# Altium PCB MJVESC_MINI4_VER01A.PcbDoc (part 2 of 2)
Units mm, origin at the board's own origin, x right, y up, seen from the top; angles counter-clockwise.
Board outline 32 x 70 mm, 4 copper layers (Top Layer, Mid Layer 1, Mid Layer 2, Bottom Layer), stack 1.63 mm thick; 141 components, 105 nets, 518 pads, 668 vias.
Unrouted connection lines stored in the file: 6.
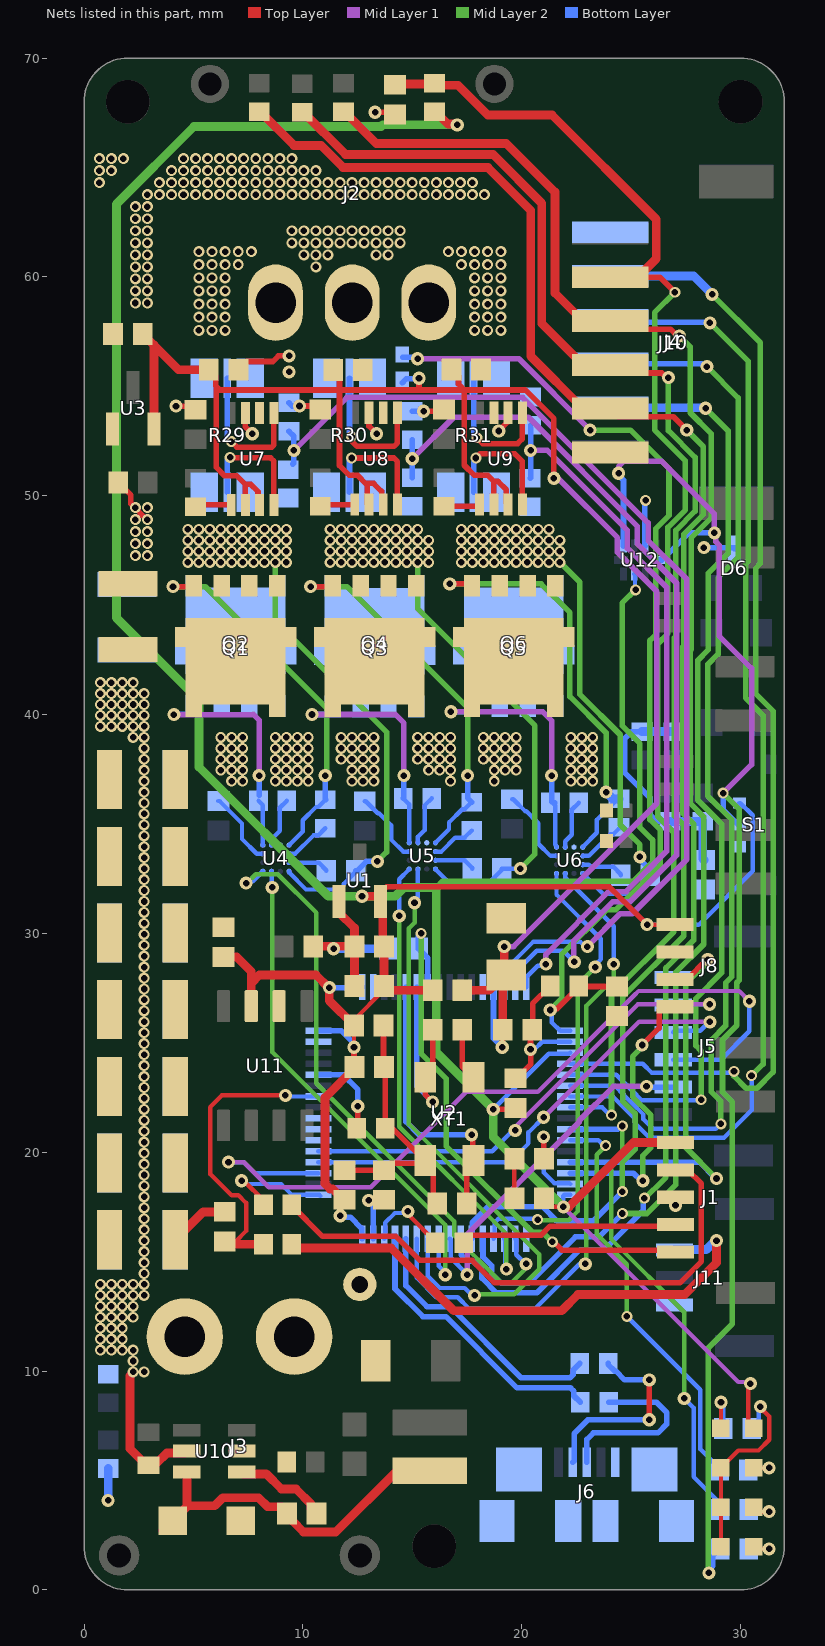
[diagram p4: the nets of this part, all layers, seen from the top]

## Via types
v1: diameter 0.5, hole 0.3, Top Layer to Bottom Layer, tented both sides, 536 vias
v2: diameter 0.6, hole 0.3, Top Layer to Bottom Layer, tented both sides, 132 vias

## Nets (pads, with @x,y where several pads share a name; then routed paths per layer and width w, separated by ;. In a path a pad name is that pad's centre, name@x,y a point inside that pad or via, vN(x,y) a via of type N, cw(c..) or ccw(c..) an arc to the next point about the centre after c; other vN are vias at no path point) (continued)
GND: C1.1 C2.2 C3.1 C4.1 C5.2 C6.2 C7.2 C8.1 C9.1 C10.1 C11.1 C12.1 C13.1 C14.2 C15.1 C16.2 C17.1 C18.2 C19.2 C20.2 C21.2 C25.1 C26.1 C27.1 C28.2 C29.2 C30.2 C31.2 C33.2 C34.2 C35.2 C36.2 C37.1 C39.2 C40.2 C41.2 C42.2 C43.2 C44.2 C45.1 C46.2 C47.1 C48.1 C49.2 C50.2 C51.2 C52.2 C53.2 C54.2 C65.1 D1.2 D3.2 D4.2 D5.2 D6.3 GND1.1 J1.3 J3.2 J4.1 J5.6 J6.5 J6.6 J6.7 J6.8 J6.9 J6.10 J6.11 J8.2 J10.1 J11.1 Q2.1 Q2.2 Q2.3 Q4.1 Q4.2 Q4.3 Q6.1 Q6.2 Q6.3 R3.2 R6.1 R15.2 R17.2 R19.2 R33.2 R35.2 R38.2 S1.2 U1.1 U2.12 U2.18 U2.63 U3.1 U4.A2 U5.A2 U6.A2 U7.2 U7.3 U8.2 U8.3 U9.2 U9.3 U10.2 U11.2 U12.3 XT1.G | length 74.1
  Top Layer w0.203: C4.1@19.667,17.9 C11.1@19.667,19.704 ; D5.2@29.104,1.975 D3.2@29.104,3.779 D1.2@29.104,5.583 29.892,6.372 30.819,6.372 31.308,6.862 31.308,7.925 30.904,8.329 v2(30.904,8.375)
  Top Layer w0.254: C12.1@1.565,50.6 2.135,50.03 2.135,49.64 v1@2.9,48.875 ; v2(4.2,54.1) 5.054,54.1 5.094,54.06 C28.2@5.094,53.929 ; C25.1@7.053,55.759 7.428,56.134 8.628,56.134 8.882,56.388 v2(9.372,56.388) ; U7.3@7.373,53.783 7.373,53.142 v2(7.683,52.832) ; U7.2@8.018,53.778 U7.2@8.023,53.783 ; v2(9.842,54.102) 10.632,54.102 C29.2@10.79,53.944 ; C1.1@11.608,19.175 C1.1@11.908,19.175 13.699,19.175 14.022,19.498 15.431,19.498 XT1.G@15.554,19.621 ; U8.3@13.019,53.798 13.019,53.178 v2(13.365,52.832) ; v2(13.3,67.525) 14.104,67.525 C17.1@14.204,67.425 ; C65.1@13.683,25.8 13.683,23.925 C5.2@13.708,23.9 13.758,23.85 R6.1@13.758,21.1 14.074,21.1 XT1.G@15.554,19.621 ; v2(15.516,53.863) 16.365,53.863 C30.2@16.446,53.944 ; C16.2@16.133,17.666 15.96,17.839 15.96,19.214 XT1.G@15.554,19.621 ; C14.2@17.279,25.6 17.279,23.929 XT1.G@17.787,23.421 ; v2(18.948,52.959) 19.375,53.387 U9.2@19.375,53.798 ; C2.2@19.708,23.375 19.758,23.375 20.417,24.034 20.417,24.683 v2(20.4,24.7) 20.4,25.517 C7.2@20.483,25.6 20.5,25.617 20.5,26.796 R35.2@21.304,27.6 ; v2(27.025,17.575) J1.3@27.025,17.946
  Top Layer w0.4: C42.2@4.167,16.002 5.44,17.275 C18.2@6.427,17.275 ; C3.1@10.465,29.409 11.291,29.409 v2(11.4,29.3) 11.509,29.409 C9.1@12.356,29.409 ; U1.1@11.648,31.463 11.648,30.952 12.356,30.244 C9.1@12.356,29.409 ; C8.1@12.358,27.604 12.358,29.407 C9.1@12.356,29.409
  Bottom Layer w0.203: C19.2@6.139,36.051 6.189,36.051 7.217,35.023 7.217,34.315 7.896,33.636 U4.A2@8.168,33.636 ; C20.2@12.827,36.042 12.877,36.042 13.421,35.498 13.474,35.498 14.029,34.943 14.029,34.295 14.584,33.741 U5.A2@14.856,33.741 ; C21.2@19.558,36.135 19.608,36.135 20.152,35.59 20.205,35.59 20.76,35.036 20.76,34.095 21.315,33.541 U6.A2@21.587,33.541 ; v2(20.4,24.7) 20.583,24.7 20.931,25.048 U2.18@22.208,25.048 ; R3.2@30.504,7.375 30.827,7.698 30.827,8.191 30.904,8.268 v2(30.904,8.375)
  Bottom Layer w0.254: R17.2@9.364,54.244 9.506,54.102 v2(9.842,54.102) ; R15.2@14.994,53.863 v2(15.516,53.863) ; U12.3@25.65,47.704 25.63,47.724 25.63,49.68 25.663,49.713 v1(25.663,49.79) ; v2(28.326,47.627) 29.756,47.627 D6.3@29.718,47.589
  Bottom Layer w0.4: v2(1.1,4.093) R33.2@1.1,5.55 ; v2(11.4,29.3) 11.402,29.302 C13.1@13.925,29.302
  other v1: 6.744,36.96 7.244,36.96 8.744,36.96 9.244,36.96 9.744,36.96 10.244,36.96 12.244,36.96 12.744,36.96 13.244,36.96 16.744,36.96 18.744,36.96 22.244,36.96 22.744,36.96 23.244,36.96 6.244,37.46 6.744,37.46 7.244,37.46 8.744,37.46 9.244,37.46 9.744,37.46 10.244,37.46 12.244,37.46 12.744,37.46 13.244,37.46 15.744,37.46 16.244,37.46 16.744,37.46 18.744,37.46 19.244,37.46 19.744,37.46 22.244,37.46 22.744,37.46 23.244,37.46 6.244,37.96 6.744,37.96 7.244,37.96 8.744,37.96 9.244,37.96 9.744,37.96 10.244,37.96 11.744,37.96 12.244,37.96 12.744,37.96 13.244,37.96 15.244,37.96 15.744,37.96 16.244,37.96 16.744,37.96 18.244,37.96 18.744,37.96 19.244,37.96 19.744,37.96 22.244,37.96 22.744,37.96 23.244,37.96 6.244,38.46 6.744,38.46 7.244,38.46 8.744,38.46 9.244,38.46 9.744,38.46 10.244,38.46 11.744,38.46 12.244,38.46 12.744,38.46 13.244,38.46 15.244,38.46 15.744,38.46 16.244,38.46 16.744,38.46 18.244,38.46 18.744,38.46 19.244,38.46 19.744,38.46 22.244,38.46 22.744,38.46 23.244,38.46 6.244,38.96 6.744,38.96 7.244,38.96 8.744,38.96 9.244,38.96 9.744,38.96 10.244,38.96 11.744,38.96 12.244,38.96 12.744,38.96 13.244,38.96 15.244,38.96 15.744,38.96 16.244,38.96 16.744,38.96 18.244,38.96 18.744,38.96 19.244,38.96 19.744,38.96 22.244,38.96 22.744,38.96 23.244,38.96 2.344,47.26 2.894,47.26 2.344,47.81 2.894,47.81 2.344,48.36 2.894,48.36 2.344,48.91 2.894,48.91 2.344,49.46 2.894,49.46 2.344,58.81 2.894,58.81 2.344,59.36 2.894,59.36 2.344,59.91 2.894,59.91 2.344,60.46 2.894,60.46 2.344,61.01 2.894,61.01 2.344,61.56 2.894,61.56 2.344,62.11 2.894,62.11 2.344,62.66 2.894,62.66 2.344,63.21 2.894,63.21 2.894,63.76 3.444,63.76 3.994,63.76 4.544,63.76 5.094,63.76 5.644,63.76 6.194,63.76 6.744,63.76 7.294,63.76 7.844,63.76 8.394,63.76 8.944,63.76 9.494,63.76 10.044,63.76 10.594,63.76 11.144,63.76 11.694,63.76 12.244,63.76 12.794,63.76 13.344,63.76 13.894,63.76 14.444,63.76 14.994,63.76 15.544,63.76 16.094,63.76 16.644,63.76 17.194,63.76 17.744,63.76 18.294,63.76 0.694,64.31 3.444,64.31 3.994,64.31 4.544,64.31 5.094,64.31 5.644,64.31 6.194,64.31 6.744,64.31 7.294,64.31 7.844,64.31 8.394,64.31 8.944,64.31 9.494,64.31 10.044,64.31 10.594,64.31 11.144,64.31 11.694,64.31 12.244,64.31 12.794,64.31 13.344,64.31 13.894,64.31 14.444,64.31 14.994,64.31 15.544,64.31 16.094,64.31 16.644,64.31 17.194,64.31 17.744,64.31 0.694,64.86 1.244,64.86 3.994,64.86 4.544,64.86 5.094,64.86 5.644,64.86 6.194,64.86 6.744,64.86 7.294,64.86 7.844,64.86 8.394,64.86 8.944,64.86 9.494,64.86 10.044,64.86 10.594,64.86 0.694,65.41 1.244,65.41 1.794,65.41 4.544,65.41 5.094,65.41 5.644,65.41 6.194,65.41 6.744,65.41 7.294,65.41 7.844,65.41 8.394,65.41 8.944,65.41 9.494,65.41
  other v2: 9.372,55.661
H1: U2.41 U4.B4 | length 23.5
  Mid Layer 2 w0.203: v2(8.6,32.1) 8.6,24.579 16.502,16.677 v2(16.502,14.4)
  Bottom Layer w0.203: U4.B4@8.568,32.836 8.568,32.132 v2(8.6,32.1) ; U2.41@16.208,16.048 16.208,14.801 16.502,14.507 v2(16.502,14.4)
H2: U2.42 U5.B4 | length 28.6
  Mid Layer 2 w0.203: v2(15.1,31.4) 15.1,30.484 14.845,30.23 14.845,21.288 20.804,15.329 20.804,14.65 19.659,13.504 17.888,13.504 v2(17.844,13.46)
  Bottom Layer w0.203: v2(15.1,31.4) 15.1,31.507 15.256,31.664 U5.B4@15.256,32.941 ; U2.42@15.708,16.048 15.708,14.339 16.251,13.795 17.401,13.795 17.736,13.46 v2(17.844,13.46)
H3: U2.43 U6.B4 | length 30.2
  Mid Layer 2 w0.203: v2(22.9,14.9) 22.957,14.957 22.957,26.697 24.2,27.94 v2(24.2,28.6)
  Bottom Layer w0.203: U2.43@15.208,16.048 15.208,14.265 16.095,13.377 17.071,13.377 17.593,12.855 20.611,12.855 22.655,14.9 v2(22.9,14.9) ; U6.B4@21.987,32.741 21.987,32.54 24.2,30.328 v2(24.2,28.6)
HALL_1: J10.4 R7.1 U2.37 | length 75
  Top Layer w0.254: J10.4@24.05,57.984 24.423,57.611 26.796,57.611 27.106,57.3 v2(27.2,57.3)
  Top Layer w0.4: R7.1@11.85,67.55 11.9,67.55 13.35,66.1 19.292,66.1 21.517,63.876 21.517,59.267 22.8,57.984 J10.4@23.968,57.984
  Mid Layer 2 w0.254: v1(24.6,17.2) 25.72,17.2 27.039,18.519 27.039,28.23 28.315,29.506 28.315,35.326 27.687,35.954 27.687,42.917 27.749,42.979 27.749,48.087 28.654,48.992 28.654,52.837 27.698,53.793 27.698,56.802 v2(27.2,57.3)
  Bottom Layer w0.254: U2.37@18.208,16.048 18.228,16.028 18.228,15.209 18.634,14.804 18.634,14.437 19.039,14.031 20.352,14.031 22.452,16.132 23.532,16.132 v1(24.6,17.2)
HALL_2: J10.3 R8.1 U2.38 | length 73.5
  Top Layer w0.254: J10.3@24.05,55.984 24.423,55.611 26.396,55.611 26.606,55.4 v2(26.7,55.4)
  Top Layer w0.4: R8.1@9.969,67.525 10.019,67.525 11.944,65.6 18.683,65.6 20.914,63.369 20.914,57.87 22.8,55.984 J10.3@23.968,55.984
  Mid Layer 2 w0.254: v1(24.6,18.2) 24.6,19.556 25.18,20.136 25.18,21.771 24.613,22.338 24.613,27.097 27.401,29.885 27.401,34.947 26.979,35.369 26.979,43.504 27.041,43.566 27.041,48.415 27.925,49.299 27.925,51.75 26.7,52.975 v2(26.7,55.4)
  Bottom Layer w0.254: U2.38@17.708,16.048 17.728,16.068 17.728,16.784 18.447,17.503 20.963,17.503 21.597,16.87 23.27,16.87 v1(24.6,18.2)
HALL_3: J10.2 R9.1 U2.39 | length 78.7
  Top Layer w0.254: J10.2@24.05,53.984 24.423,53.611 26.928,53.611 v2(27.538,53)
  Top Layer w0.4: R9.1@8,67.55 8.05,67.55 9.59,66.01 10.827,66.01 11.837,65 18.452,65 20.414,63.038 20.414,56.37 22.8,53.984 J10.2@23.968,53.984
  Mid Layer 2 w0.254: v1@25.516,17.787 26.582,18.854 26.582,28.419 27.858,29.695 27.858,34.991 27.333,35.516 27.333,43.063 27.395,43.126 27.395,48.234 28.3,49.138 28.3,52.238 v2(27.538,53)
  Bottom Layer w0.254: U2.39@17.208,16.048 17.228,16.028 17.228,15.311 17.509,15.03 17.761,15.03 18.177,14.614 18.177,14.248 18.85,13.574 20.684,13.574 22.639,15.53 23.75,15.53 25.553,17.333 25.553,17.853 v1(25.6,17.9)
I2C2_SCL/USART3_TX: J8.3 U2.29 | length 19.9
  Top Layer w0.254: J8.3@26.999,27.901 27.549,27.901 28.448,28.8 v2(28.5,28.8)
  Mid Layer 2 w0.254: v2(28.5,28.8) 28.5,28.706 27.496,27.702 27.496,20.204 v2(28.9,18.8)
  Bottom Layer w0.254: U2.29@22.208,19.548 28.115,19.548 28.863,18.8 v2(28.9,18.8)
I2C2_SDA/USART3_RX: J8.4 U2.30 | length 13
  Top Layer w0.254: v2(25.5,24.9) 26.276,25.676 26.276,26.478 26.449,26.651 J8.4@26.999,26.651
  Mid Layer 2 w0.254: v2(25.5,24.9) 25.5,24.806 25.07,24.376 25.07,22.527 25.9,21.697 25.9,20.21 25.537,19.847 v2(25.537,18.7)
  Bottom Layer w0.254: U2.30@22.208,19.048 25.096,19.048 25.444,18.7 v2(25.537,18.7)
L1: U2.34 U4.A4 | length 28.5
  Mid Layer 2 w0.203: v2(7.4,32.3) 7.446,32.3 7.85,32.704 8.85,32.704 10.604,30.951 10.604,23.15 16.908,16.845 16.908,16.199 19.05,14.057 19.55,14.057 20.124,14.631 20.124,14.824 v2(20.2,14.9)
  Bottom Layer w0.203: v2(7.4,32.3) 7.476,32.376 7.708,32.376 U4.A4@8.168,32.836 ; U2.34@19.708,16.048 19.754,16.002 19.754,15.322 20.175,14.9 v2(20.2,14.9)
L2: U2.35 U5.A4 | length 21.9
  Mid Layer 2 w0.203: v2(14.4,30.8) 14.4,21.159 19.3,16.259 v2(19.3,14.661)
  Bottom Layer w0.203: v2(14.4,30.8) 14.4,32.474 14.849,32.924 14.849,32.934 U5.A4@14.856,32.941 ; U2.35@19.208,16.048 19.254,16.002 19.254,14.708 v2(19.3,14.661)
L3: U2.36 U6.A4 | length 21.5
  Mid Layer 2 w0.203: v1(20.723,16.923) 20.751,16.895 22.15,16.895 22.551,17.296 22.551,27.65 v2(23.358,28.458)
  Bottom Layer w0.203: U2.36@18.708,16.048 18.754,16.093 18.754,16.774 18.932,16.952 20.694,16.952 v1(20.723,16.923) ; U6.A4@21.587,32.741 21.587,31.776 23.604,29.759 23.604,28.812 23.358,28.565 v2(23.358,28.458)
LED_GREEN: R2.1 U2.26 | length 22.2
  Mid Layer 2 w0.203: v1(24.6,21.2) 24.6,20.021 24.098,19.519 24.098,16.017 27.425,12.691 v2(27.425,8.75)
  Bottom Layer w0.203: v2(27.425,8.75) 27.85,8.325 27.85,5.175 29.072,3.953 R2.1@29.072,3.679
  Bottom Layer w0.254: U2.26@22.208,21.048 24.381,21.048 24.533,21.2 v1(24.6,21.2)
LED_RED: R1.1 U2.27 | length 19
  Mid Layer 2 w0.203: v1(23.833,20.3) 23.425,19.892 23.425,16.262 24.8,14.887 v1(24.8,12.5)
  Bottom Layer w0.203: U2.27@22.208,20.548 23.505,20.548 23.753,20.3 v1(23.833,20.3) ; v1(24.8,12.5) 28.153,9.147 28.153,6.435 29.054,5.534 R1.1@29.054,5.484
NetC10_2: C10.2 U2.47 | length 2.5
  Top Layer w0.254: v2(13.008,17.8) 13.033,17.825 C10.2@13.699,17.825
  Bottom Layer w0.254: v2(13.008,17.8) 13.208,17.6 U2.47@13.208,16.048
NetC11_2: C11.2 U2.31 | length 4.1
  Top Layer w0.254: C11.2@20.983,19.704 21,19.721 v2(21,20.7)
  Bottom Layer w0.203: v2(21,20.7) 21,19.075 21.482,18.593 22.163,18.593 U2.31@22.208,18.548
NetC14_1: C14.1 U2.6 XT1.1 | length 9.1
  Top Layer w0.254: v2(15.929,22.3) 15.587,22.642 XT1.1@15.587,23.421 15.929,23.762 C14.1@15.929,25.6
  Bottom Layer w0.254: U2.6@15.208,27.548 15.208,23.021 v2(15.929,22.3)
NetC16_1: C16.1 U2.5 XT1.3 | length 12.7
  Top Layer w0.254: C16.1@17.483,17.666 17.483,19.35 17.754,19.621 17.754,20.754 v2(17.708,20.8)
  Bottom Layer w0.254: U2.5@14.708,27.548 14.708,21.4 15.308,20.8 v2(17.708,20.8)
NetC22_2: C22.2 U4.D3 | length 1.9
  Bottom Layer w0.203: U4.D3@9.368,33.236 10.721,33.236 11.07,32.888 C22.2@11.07,32.863
NetC23_2: C23.2 U5.D3 | length 1.9
  Bottom Layer w0.203: U5.D3@16.056,33.341 17.387,33.341 17.736,32.992 C23.2@17.736,32.948
NetC24_2: C24.2 U6.D3 | length 2
  Bottom Layer w0.203: U6.D3@22.787,33.141 23.06,33.141 23.146,33.054 24.177,33.054 24.525,32.706 C24.2@24.525,32.656
NetC32_1: C32.1 D4.1 L2.1 U10.6 | length 16.3
  Top Layer w0.4: D4.1@3.602,2.712 D4.1@4.052,3.162 4.697,3.806 4.697,3.844 ; U10.6@4.697,5.396 4.697,3.844 ; L2.1@15.8,5.45 14.305,5.45 11.504,2.648 10.029,2.648 9.524,3.153 9.524,3.248 C32.1@9.274,3.498 9.274,3.548 9.024,3.798 8.386,3.798 7.969,4.215 6.336,4.215 5.965,3.844 4.697,3.844
NetC32_2: C32.2 U10.1 | length 4.3
  Top Layer w0.4: U10.1@7.207,5.396 7.302,5.301 8.326,5.301 9.018,4.61 9.683,4.61 10.374,3.918 10.374,3.748 C32.2@10.624,3.498
NetC50_1: C50.1 R40.2 R41.1 R42.2 R43.1 | length 10.7
  Bottom Layer w0.254: R42.2@25.5,39.222 25.022,39.222 24.695,38.895 24.695,37.358 25.875,36.178 25.875,35.4 26.157,35.118 R43.1@26.771,35.118
  Bottom Layer w0.4: R42.2@25.5,39.222 R40.2@26.954,39.222 ; R43.1@26.771,35.118 R41.1@28.271,35.118 28.271,33.413 C50.1@28.325,33.359
NetD1_1: D1.1 R1.2 | length 1.7
  Top Layer w0.203: D1.1@30.604,5.583 30.612,5.575 v2(31.304,5.575)
  Bottom Layer w0.203: R1.2@30.354,5.484 30.445,5.575 v2(31.304,5.575)
NetD2_2: D2.2 R3.1 | length 2.4
  Top Layer w0.203: D2.2@29.104,7.388 v2(29.104,8.575)
  Bottom Layer w0.203: v2(29.104,8.575) 29.204,8.475 R3.1@29.204,7.375
NetD3_1: D3.1 R2.2 | length 1.8
  Top Layer w0.203: D3.1@30.604,3.779 30.808,3.575 v2(31.304,3.575)
  Bottom Layer w0.203: R2.2@30.372,3.679 30.476,3.575 v2(31.304,3.575)
NetD5_1: D5.1 R39.2 | length 1.7
  Top Layer w0.203: D5.1@30.604,1.975 30.704,1.875 v2(31.304,1.875)
  Bottom Layer w0.203: R39.2@30.372,1.875 v2(31.304,1.875)
NetJ1_2: J1.2 R4.1 | length 25.6
  Top Layer w0.254: R4.1@9.498,17.604 9.498,17.554 10.896,16.157 14.245,16.157 15.344,15.057 17.734,15.057 18.759,14.031 27.227,14.031 28.205,15.01 28.205,18.566 27.575,19.196 J1.2@27.025,19.196
NetJ1_4: J1.4 R5.1 | length 10
  Top Layer w0.254: R5.1@17.35,15.862 17.35,15.912 17.648,16.21 20.89,16.21 21.3,16.62 26.949,16.62 J1.4@27.025,16.696
NetJ6_2: J6.2 R11.2 | length 9.1
  Top Layer w0.254: v2(25.825,7.775) v2(25.825,9.6)
  Bottom Layer w0.254: J6.2@22.325,5.825 22.398,5.898 22.398,7.148 23.025,7.775 v2(25.825,7.775) ; R11.2@23.95,10.35 23.95,10.3 24.248,10.002 24.298,10.002 24.7,9.6 v2(25.825,9.6)
NetJ6_3: J6.3 R12.2 | length 8.4
  Bottom Layer w0.254: J6.3@22.975,5.825 22.975,6.875 23.275,7.175 26.225,7.175 26.625,7.575 26.625,8.1 26.15,8.575 R12.2@23.975,8.575
NetJ11_3: J11.3 R13.1 | length 24.7
  Top Layer w0.4: R13.1@9.498,15.8 9.671,15.627 14.025,15.627 16.895,12.757 21.829,12.757 22.574,13.501 27.446,13.501 28.9,14.955 v2(28.9,15.96)
  Bottom Layer w0.4: J11.3@26.986,15.525 27.011,15.55 28.436,15.55 28.846,15.96 v2(28.9,15.96)
NetQ1_4: Q1.4 R20.2 U4.D1 | length 17.4
  Top Layer w0.254: v2(4.064,45.847) 4.977,45.847 Q1.4@5.016,45.886
  Mid Layer 2 w0.254: v2(4.064,45.847) 5.535,45.847 11.095,40.287 11.095,37.377 11.023,37.305 v2(11.023,37.211)
  Bottom Layer w0.203: U4.D1@9.368,34.036 9.988,34.656 9.988,35.17 10.596,35.778 10.699,35.778 R20.2@11.023,36.101 R20.2@11.053,36.101
  Bottom Layer w0.254: v2(11.023,37.211) 11.023,36.131 R20.2@11.053,36.101
NetQ2_4: Q2.4 R21.2 U4.A1 | length 10.7
  Mid Layer 1 w0.254: v2(4.1,40) 7.734,40 7.739,40.005 8.001,39.743 v2(8.001,37.211)
  Bottom Layer w0.203: R21.2@7.968,36.065 8.168,35.865 U4.A1@8.168,34.036
  Bottom Layer w0.254: v2(4.1,40) 4.079,40.02 4.768,40.02 5.016,40.268 Q2.4@5.016,40.393 ; R21.2@8.001,36.316 v2(8.001,37.211)
NetQ3_4: Q3.4 R22.2 U5.D1 | length 17.5
  Top Layer w0.254: v2(10.35,45.847) 11.332,45.847 Q3.4@11.37,45.886
  Mid Layer 2 w0.254: v2(10.35,45.847) 12.012,45.847 17.526,40.333 v2(17.526,37.211)
  Bottom Layer w0.203: U5.D1@16.056,34.141 16.676,34.761 16.676,35.071 17.284,35.679 17.387,35.679 R22.2@17.711,36.003
  Bottom Layer w0.254: v2(17.526,37.211) 17.526,36.187 R22.2@17.711,36.003
NetQ4_4: Q4.4 R23.2 U5.A1 | length 11.1
  Mid Layer 1 w0.254: v2(10.414,40.005) 14.224,40.005 14.613,39.616 v2(14.613,37.211)
  Bottom Layer w0.203: R23.2@14.581,36.17 14.856,35.895 U5.A1@14.856,34.141
  Bottom Layer w0.254: v2(10.414,40.005) 11.122,40.005 11.37,40.253 Q4.4@11.37,40.372 ; R23.2@14.581,36.17 14.613,36.201 v2(14.613,37.211)
NetQ5_4: Q5.4 R24.2 U6.D1 | length 19.9
  Top Layer w0.254: v2(16.708,45.974) 17.589,45.974 17.716,46.101 Q5.4@17.843,45.974
  Mid Layer 2 w0.254: v2(16.708,45.974) 20.887,45.974 22.2,44.661 22.2,40.824 23.853,39.171 v2(23.853,36.46)
  Bottom Layer w0.203: U6.D1@22.787,33.941 22.794,33.948 22.794,33.958 23.431,34.595 23.431,35.187 24.337,36.093 R24.2@24.442,36.093
  Bottom Layer w0.254: R24.2@24.387,36.148 R24.2@24.442,36.093
  Bottom Layer w0.4: v2(23.853,36.46) 24.165,36.148 24.387,36.148 R24.2@24.442,36.148
NetQ6_4: Q6.4 R25.2 U6.A1 | length 11.8
  Mid Layer 1 w0.254: v2(16.764,40.132) 20.955,40.132 21.363,39.724 v2(21.363,37.211)
  Bottom Layer w0.203: R25.2@21.363,36.02 21.53,35.853 21.53,34.055 21.587,33.998 U6.A1@21.587,33.941
  Bottom Layer w0.254: v2(16.764,40.132) 17.477,40.132 17.725,40.38 Q6.4@17.725,40.393 ; R25.2@21.363,36.02 v2(21.363,37.211) ; R25.2@21.492,35.949 R25.2@21.513,35.97
NetR6_2: R6.2 U2.60 | length 3.9
  Top Layer w0.254: R6.2@12.458,21.1 12.508,21.15 v2(12.508,22.1)
  Bottom Layer w0.254: U2.60@10.708,23.548 11.82,23.548 12.508,22.86 v2(12.508,22.1)
NetR20_1: R20.1 U4.D2 | length 2.1
  Bottom Layer w0.203: U4.D2@9.368,33.636 9.641,33.636 10.483,34.478 10.699,34.478 R20.1@11.023,34.801
NetR21_1: R21.1 U4.B1 | length 2.3
  Bottom Layer w0.203: U4.B1@8.568,34.036 8.568,34.308 8.945,34.685 8.945,35.742 R21.1@9.268,36.065
NetR22_1: R22.1 U5.D2 | length 2.1
  Bottom Layer w0.203: U5.D2@16.056,33.741 16.329,33.741 16.967,34.379 17.387,34.379 R22.1@17.711,34.703
NetR23_1: R23.1 U5.B1 | length 2.3
  Bottom Layer w0.203: U5.B1@15.256,34.141 15.256,34.413 15.558,34.715 15.558,35.846 R23.1@15.881,36.17
NetR24_1: R24.1 U6.D2 | length 2.2
  Bottom Layer w0.203: U6.D2@22.787,33.541 23.06,33.541 24.043,34.524 24.173,34.524 R24.1@24.442,34.793
NetR25_1: R25.1 U6.B1 | length 2.3
  Bottom Layer w0.203: U6.B1@21.987,33.941 21.987,34.213 22.289,34.515 22.289,35.646 R25.1@22.612,35.97
NetR26_1: R26.1 U7.5 | length 1.7
  Top Layer w0.254: R26.1@5.094,49.5 5.177,49.583 U7.5@6.723,49.583
NetR27_1: R27.1 U8.5 | length 1.6
  Top Layer w0.254: R27.1@10.79,49.515 10.872,49.598 U8.5@12.369,49.598
NetR28_1: R28.1 U9.5 | length 1.7
  Top Layer w0.254: R28.1@16.446,49.515 17.992,49.515 U9.5@18.075,49.598
NetR29_3: R29.3 U7.8 | length 5.7
  Top Layer w0.254: v1(6.675,51.75) 6.698,51.727 8.527,51.727 8.673,51.581 U7.8@8.673,49.583
  Bottom Layer w0.254: R29.3@6.54,50.165 6.54,51.615 v1(6.675,51.75)
NetR29_4: R29.4 U7.1 | length 6.5
  Top Layer w0.254: v1(6.725,52.478) 6.978,52.225 8.575,52.225 8.675,52.325 8.675,53.781 U7.1@8.673,53.783
  Bottom Layer w0.254: R29.4@6.54,55.365 6.54,52.663 v1(6.725,52.478)
NetR30_3: R30.3 U8.8 | length 5.7
  Top Layer w0.254: v1(12.225,51.725) 14.158,51.725 14.319,51.564 U8.8@14.319,49.598
  Bottom Layer w0.254: R30.3@12.128,50.165 12.128,51.628 v1(12.225,51.725)
NetR30_4: R30.4 U8.1 | length 6.5
  Top Layer w0.254: v1(12.225,52.7) 12.225,52.5 12.47,52.255 14.155,52.255 14.319,52.419 U8.1@14.319,53.798
  Bottom Layer w0.254: R30.4@12.128,55.365 12.128,52.797 v1(12.225,52.7)
NetR31_3: R31.3 U9.8 | length 5.9
  Top Layer w0.254: v1(17.904,51.725) 18.104,51.925 19.675,51.925 20.025,51.575 U9.8@20.025,49.598
  Bottom Layer w0.254: R31.3@17.798,50.165 17.798,51.552 17.904,51.658 v1(17.904,51.725)
NetR31_4: R31.4 U9.1 | length 6.3
  Top Layer w0.254: v1(17.95,52.65) 18.218,52.382 19.807,52.382 20.019,52.594 20.019,53.791 U9.1@20.025,53.798
  Bottom Layer w0.254: R31.4@17.798,55.365 17.798,52.802 v1(17.95,52.65)
NetR39_1: R39.1 S1.C U12.1 U12.5 | length 66.2
  Mid Layer 1 w0.254: v2(24.426,51.027) 24.426,51.338 24.668,51.579 26.39,51.579 28.8,49.17 v2(28.8,48.3) 28.866,48.234 28.866,47.904 29.023,47.747 29.023,43.592 30.502,42.113 30.502,37.712 v1(29.199,36.409)
  Mid Layer 2 w0.254: v2(28.55,0.775) 28.527,0.798 28.527,11.064 29.627,12.164 29.627,22.294 29.173,22.748 29.173,25.141 29.823,25.791 29.823,27.747 29.941,27.865 29.941,35.667 v1(29.199,36.409)
  Bottom Layer w0.203: v2(28.55,0.775) 28.55,0.882 28.749,1.081 28.749,1.552 R39.1@29.072,1.875
  Bottom Layer w0.254: v2(24.426,51.027) 24.426,50.934 24.65,50.71 U12.1@24.65,47.704 ; U12.5@26.26,47.064 26.4,47.064 27.636,48.3 v2(28.8,48.3) ; v1(29.199,36.409) 29.199,35.661 S1.C@29.9,34.96
nRST: C13.2 J1.5 U2.7 | length 25.4
  Top Layer w0.254: v1(21.4,15.9) 21.467,15.9 21.837,15.53 26.941,15.53 J1.5@27.025,15.446
  Mid Layer 2 w0.254: v1(15.4,30) 15.4,24.51 16.559,23.352 16.559,20.267 20.483,16.343 20.951,16.343 21.394,15.9 v1(21.4,15.9)
  Bottom Layer w0.254: v1(15.4,30) 15.275,29.875 C13.2@15.275,29.302 15.708,28.869 U2.7@15.708,27.548
PH_A: J2.1 R29.2 | length 0.1
  Top Layer w0.254: J2.1@8.659,58.699 J2.1@8.704,58.654
  other v1: 5.244,57.56 5.844,57.56 6.444,57.56 5.244,58.16 5.844,58.16 6.444,58.16 5.244,58.76 5.844,58.76 6.444,58.76 5.244,59.36 5.844,59.36 6.444,59.36 5.244,59.96 5.844,59.96 6.444,59.96 5.244,60.56 5.844,60.56 6.444,60.56 7.044,60.56 5.244,61.16 5.844,61.16 6.444,61.16 7.044,61.16 7.644,61.16
PH_B: J2.2 R30.2
  other v1: 10.594,60.46 10.044,61.01 10.594,61.01 11.144,61.01 13.344,61.01 13.894,61.01 9.494,61.56 10.044,61.56 10.594,61.56 11.144,61.56 11.694,61.56 12.244,61.56 12.794,61.56 13.344,61.56 13.894,61.56 14.444,61.56 9.494,62.11 10.044,62.11 10.594,62.11 11.144,62.11 11.694,62.11 12.244,62.11 12.794,62.11 13.344,62.11 13.894,62.11 14.444,62.11
PH_C: J2.3 R31.2
  other v1: 17.844,57.56 18.444,57.56 19.044,57.56 17.844,58.16 18.444,58.16 19.044,58.16 17.844,58.76 18.444,58.76 19.044,58.76 17.844,59.36 18.444,59.36 19.044,59.36 17.844,59.96 18.444,59.96 19.044,59.96 17.244,60.56 17.844,60.56 18.444,60.56 19.044,60.56 16.644,61.16 17.244,61.16 17.844,61.16 18.444,61.16 19.044,61.16
SERVO: C18.1 R13.2 U2.58 | length 14.7
  Top Layer w0.203: C18.1@6.427,15.925 6.925,15.925 7.4,16.4 7.4,17.683 7.054,18.029 6.738,18.029 5.764,19.003 5.764,22.064 6.3,22.6 v2(9.2,22.6)
  Top Layer w0.4: C18.1@6.427,15.925 6.553,15.8 R13.2@8.198,15.8
  Bottom Layer w0.203: v2(9.2,22.6) 9.252,22.548 U2.58@10.708,22.548
SH_A: C22.1 Q1.1 Q1.2 Q1.3 Q2.5_6 Q2.5_6_1 Q2.5_6_2 Q2.5_6_3 Q2.5_6_4 R16.2 R29.1 U4.C1 U4.D4 | length 21
  Mid Layer 2 w0.254: v1(8.744,46.96) 8.744,44.28 13.824,39.2 13.824,33.712 v2(13.401,33.29)
  Bottom Layer w0.203: U4.D4@9.368,32.836 9.368,32.779 10.14,32.007 11.667,32.007 11.875,32.216 11.875,32.268 12.42,32.813 C22.1@12.42,32.863
  Bottom Layer w0.254: C22.1@12.42,32.863 12.447,32.836 12.9,33.29 v2(13.401,33.29)
  other v1: 4.744,46.96 5.244,46.96 5.744,46.96 6.244,46.96 6.744,46.96 7.244,46.96 7.744,46.96 8.244,46.96 9.244,46.96 4.744,47.46 5.244,47.46 5.744,47.46 6.244,47.46 6.744,47.46 7.244,47.46 7.744,47.46 8.244,47.46 8.744,47.46 9.244,47.46 4.744,47.96 5.244,47.96 5.744,47.96 6.244,47.96 6.744,47.96 7.244,47.96 7.744,47.96 8.244,47.96 8.744,47.96 9.244,47.96 4.744,48.46 5.244,48.46 5.744,48.46 6.244,48.46 6.744,48.46 7.244,48.46 7.744,48.46 8.244,48.46 8.744,48.46 9.244,48.46
SH_B: C23.1 Q3.1 Q3.2 Q3.3 Q4.5_6 Q4.5_6_1 Q4.5_6_2 Q4.5_6_3 Q4.5_6_4 R14.2 R30.1 U5.C1 U5.D4 | length 21.1
  Mid Layer 2 w0.254: v1(15.244,46.96) 15.244,44.852 20.6,39.496 20.6,33.621 v2(19.939,32.96)
  Bottom Layer w0.203: U5.D4@16.056,32.941 16.063,32.934 16.063,32.924 16.843,32.144 18.331,32.144 19.086,32.898 C23.1@19.086,32.948 19.097,32.96 v2(19.939,32.96)
  other v1: 11.244,46.96 11.744,46.96 12.244,46.96 12.744,46.96 13.244,46.96 13.744,46.96 14.244,46.96 14.744,46.96 15.744,46.96 11.244,47.46 11.744,47.46 12.244,47.46 12.744,47.46 13.244,47.46 13.744,47.46 14.244,47.46 14.744,47.46 15.244,47.46 15.744,47.46 11.244,47.96 11.744,47.96 12.244,47.96 12.744,47.96 13.244,47.96 13.744,47.96 14.244,47.96 14.744,47.96 15.244,47.96 15.744,47.96 11.244,48.46 11.744,48.46 12.244,48.46 12.744,48.46 13.244,48.46 13.744,48.46 14.244,48.46 14.744,48.46 15.244,48.46
SH_C: C24.1 Q5.1 Q5.2 Q5.3 Q6.5_6 Q6.5_6_1 Q6.5_6_2 Q6.5_6_3 Q6.5_6_4 R18.2 R31.1 U6.C1 U6.D4 | length 20
  Mid Layer 2 w0.254: v1(21.744,46.96) 22.657,46.047 22.657,40.922 24.5,39.079 24.5,34.954 25.4,34.054 v2(25.4,33.5)
  Bottom Layer w0.203: U6.D4@22.787,32.741 23.728,31.8 25.122,31.8 25.526,32.204 25.526,32.307 C24.1@25.875,32.656
  Bottom Layer w0.254: v2(25.4,33.5) 25.4,33.369 25.9,32.869 25.781,32.75 C24.1@25.875,32.656
  other v1: 17.244,46.96 17.744,46.96 18.244,46.96 18.744,46.96 19.244,46.96 19.744,46.96 20.244,46.96 20.744,46.96 21.244,46.96 17.244,47.46 17.744,47.46 18.244,47.46 18.744,47.46 19.244,47.46 19.744,47.46 20.244,47.46 20.744,47.46 21.244,47.46 21.744,47.46 17.244,47.96 17.744,47.96 18.244,47.96 18.744,47.96 19.244,47.96 19.744,47.96 20.244,47.96 20.744,47.96 21.244,47.96 21.744,47.96 17.244,48.46 17.744,48.46 18.244,48.46 18.744,48.46 19.244,48.46 19.744,48.46 20.244,48.46 20.744,48.46 21.244,48.46
SPI1_MISO/PA6: J4.4 U2.22 | length 49.2
  Mid Layer 2 w0.254: v2(28.461,55.9) 29.887,54.474 29.887,47.178 28.97,46.261 28.97,42.764 28.498,42.292 28.498,38.249 28.499,38.248 28.499,36.289 29.587,35.201 29.587,28.011 29.313,27.738 29.313,25.782 28.663,25.132 28.663,22.757 29.1,22.32 v1(29.1,21.3)
  Bottom Layer w0.203: U2.22@22.208,23.048 24.242,23.048 24.69,22.6 24.69,22.592 25.281,22 25.29,22 25.56,21.729 25.56,21.513 26.009,21.065 28.481,21.065 28.865,21.065 v1(29.1,21.3)
  Bottom Layer w0.254: J4.4@24.05,56.039 24.059,56.03 28.237,56.03 28.367,55.9 v2(28.461,55.9)
  Bottom Layer w0.4: J4.4@23.968,56.039 J4.4@24.004,56.075
SPI1_MOSI/PA7: J4.3 U2.23 | length 51.6
  Mid Layer 2 w0.254: v2(28.6,57.9) 30.344,56.156 30.344,46.989 30.23,46.875 30.23,40.77 31.03,39.97 31.03,24.03 v1(30.5,23.5)
  Bottom Layer w0.203: U2.23@22.208,22.548 24.168,22.548 24.284,22.432 24.284,22.424 25.113,21.594 25.122,21.594 25.154,21.561 25.154,21.345 25.841,20.659 28.649,20.659 29.243,20.659 30.5,21.916 v1(30.5,23.5)
  Bottom Layer w0.254: J4.3@24.05,58.039 24.159,57.93 28.57,57.93 v2(28.6,57.9)
SPI1_nCS/PA4: J4.2 U2.20 | length 52.1
  Mid Layer 2 w0.254: v2(28.7,59.2) 30.9,57 30.9,46.898 30.687,46.685 30.687,40.959 31.487,40.159 31.487,23.667 30.74,22.92 30.26,22.92 29.7,23.48 v1(29.7,23.7)
  Bottom Layer w0.203: U2.20@22.208,24.048 25.526,24.048 25.949,23.625 29.545,23.625 29.62,23.7 v1(29.7,23.7)
  Bottom Layer w0.4: J4.2@24.05,60.039 27.861,60.039 v2(28.7,59.2)
SPI1_SCK/PA5: J4.5 U2.21 | length 44.5
  Mid Layer 2 w0.254: v1(28.2,22.4) 28.2,24.622 27.953,24.869 27.953,27.024 29.13,28.201 29.13,35.012 28.042,36.1 28.042,38.059 28.041,38.06 28.041,42.481 28.513,42.953 28.513,46.45 29.43,47.367 29.43,52.97 v2(28.4,54)
  Bottom Layer w0.203: U2.21@22.208,23.548 24.316,23.548 25.095,22.769 25.095,22.76 25.45,22.406 25.458,22.406 25.489,22.375 28.175,22.375 v1(28.2,22.4)
  Bottom Layer w0.4: J4.5@24.05,54.039 24.07,54.02 28.38,54.02 v2(28.4,54)
SPI3_MISO/USART3_RX/UART4_RX/PC10: J5.3 U2.51 | length 37.9
  Mid Layer 1 w0.203: v2(6.6,19.548) 7.296,19.548 8.439,18.404 13.105,18.404 17.468,22.768 20.739,22.768 25.14,27.169 25.338,27.367 29.933,27.367 v2(30.4,26.9)
  Bottom Layer w0.203: v2(6.6,19.548) 7.307,19.548 7.807,19.048 U2.51@10.708,19.048 ; J5.3@26.925,24.229 29.104,24.229 30.4,25.525 v2(30.4,26.9)
SPI3_MOSI/PC11: J5.4 U2.52 | length 22.7
  Mid Layer 1 w0.203: v2(21,21.6) 25.36,25.96 v2(28.6,25.96)
  Bottom Layer w0.203: U2.52@10.708,19.548 19.448,19.548 20.304,20.404 20.304,20.904 v2(21,21.6) ; J5.4@26.925,25.479 26.992,25.547 28.158,25.547 28.571,25.96 v2(28.6,25.96)
SPI3_nCS/PC12: J5.5 U2.53 | length 22.4
  Mid Layer 1 w0.203: v2(19.7,21) 19.7,21.155 25.308,26.763 v2(28.583,26.763)
  Bottom Layer w0.203: U2.53@10.708,20.048 18.648,20.048 19.6,21 v2(19.7,21) ; J5.5@26.925,26.729 26.954,26.7 27.017,26.763 v2(28.583,26.763)
SPI3_nCS_IMU/PC13: U2.2
SPI3_SCK/USART3_TX/UART4_TX/PC9: J5.2 U2.40 | length 16.1
  Mid Layer 1 w0.254: v2(17.5,14.4) 17.5,16.25 22.62,21.37 22.62,21.44 24.19,23.011 v2(25.7,23.011)
  Bottom Layer w0.203: U2.40@16.708,16.048 16.754,16.002 16.754,15.175 17.5,14.429 v2(17.5,14.4)
  Bottom Layer w0.254: v2(25.7,23.011) 25.731,22.979 J5.2@26.925,22.979
SPI_SW_MISO/PD2: U2.54
SPI_SW_MOSI/PB3: U2.55
SPI_SW_nCS/PB12: U2.33
SPI_SW_SCK/PB4: U2.56
SWCLK: R4.2 U2.49 | length 5.5
  Top Layer w0.203: v2(7.2,18.7) 7.3,18.7 8.198,17.802 R4.2@8.198,17.604
  Bottom Layer w0.203: v2(7.2,18.7) 7.2,18.6 7.252,18.548 9,18.548 9.5,18.048 U2.49@10.708,18.048 ; U2.49@10.752,18.048 U2.49@10.8,17.999
SWDIO: R5.2 U2.46 | length 4
  Top Layer w0.203: v2(14.8,17.3) 14.876,17.3 14.876,17.086 16.05,15.912 R5.2@16.05,15.862
  Bottom Layer w0.203: U2.46@13.708,16.048 13.754,16.093 13.754,16.774 14.204,17.224 14.724,17.224 v2(14.8,17.3)
TEMP_MOSFET: C37.2 R35.1 R36.1 U2.17 | length 47
  Top Layer w0.254: v2(21.3,26.5) 21.366,26.566 21.62,26.566 22.604,27.55 R35.1@22.604,27.6 22.629,27.575 C37.2@24.359,27.575
  Mid Layer 1 w0.254: v2(15.244,56.261) 19.868,56.261 v2(23.126,53.003)
  Mid Layer 2 w0.254: v2(21.3,26.5) 21.823,27.023 21.823,29.039 23.861,31.077 24.293,31.077 26.331,33.114 26.331,34.725 25.859,35.197 25.859,43.385 26.114,43.64 26.114,48.489 26.728,49.103 26.728,51.241 24.967,53.003 v2(23.126,53.003)
  Bottom Layer w0.203: v2(21.3,26.5) 21.376,26.424 21.376,25.93 21.758,25.548 U2.17@22.208,25.548
  Bottom Layer w0.254: R36.1@14.569,56.327 15.178,56.327 v2(15.244,56.261)
TEMP_MOTOR: C17.2 J10.5 R10.2 U2.24 | length 63.4
  Top Layer w0.254: J10.5@24.05,59.984 25.3,59.984 26.316,59.984 v1(27,59.3)
  Top Layer w0.4: C17.2@14.204,68.775 14.241,68.812 15.971,68.812 R10.2@16.008,68.85 16.099,68.759 17.083,68.759 18.443,67.4 21.379,67.4 26.15,62.629 26.15,60.834 J10.5@25.3,59.984
  Mid Layer 2 w0.254: v1(24.1,21.7) 24.1,27.23 26.944,30.074 26.944,34.612 26.214,35.342 26.214,37.301 26.213,37.302 26.213,43.238 26.682,43.707 26.682,48.556 27.479,49.353 27.479,51.596 26.07,53.005 26.07,58.37 v1(27,59.3)
  Bottom Layer w0.203: U2.24@22.208,22.048 23.672,22.048 24.02,21.7 v1(24.1,21.7)
USB_D_N: R11.1 U2.44 | length 12.2
  Bottom Layer w0.254: U2.44@14.708,16.048 14.708,13.908 15.67,12.946 16.722,12.946 19.977,9.691 21.174,9.691 21.179,9.686 22.203,9.686 22.352,9.835 22.352,10.052 R11.1@22.65,10.35
USB_D_P: R12.1 U2.45 | length 13
  Bottom Layer w0.254: U2.45@14.208,16.048 14.208,13.762 15.481,12.489 16.533,12.489 19.788,9.234 20.984,9.234 20.989,9.229 22.228,9.229 22.377,9.08 22.377,8.873 R12.1@22.675,8.575
V_SUPPLY: C31.1 C33.1 C34.1 C35.1 C36.1 C39.1 C40.1 C41.1 C42.1 C43.1 C44.1 C46.1 C51.1 C52.1 C53.1 C54.1 J3.1 Q1.5_6 Q1.5_6_1 Q1.5_6_2 Q1.5_6_3 Q1.5_6_4 Q3.5_6 Q3.5_6_1 Q3.5_6_2 Q3.5_6_3 Q3.5_6_4 Q5.5_6 Q5.5_6_1 Q5.5_6_2 Q5.5_6_3 Q5.5_6_4 R32.2 R34.1 U10.5 | length 6.3
  Top Layer w0.4: v1(2.244,9.96) 2.244,9.933 2.1,9.789 2.1,6.45 2.85,5.7 R34.1@2.95,5.7 ; R34.1@3.325,5.8 3.776,6.251 4.602,6.251 U10.5@4.697,6.346
  other v1: 2.744,9.96 2.244,10.46 0.744,10.96 1.244,10.96 1.744,10.96 2.244,10.96 0.744,11.46 1.244,11.46 1.744,11.46 0.744,11.96 1.244,11.96 1.744,11.96 0.744,12.46 1.244,12.46 1.744,12.46 2.244,12.46 0.744,12.96 1.244,12.96 1.744,12.96 2.244,12.96 0.744,13.46 1.244,13.46 1.744,13.46 2.244,13.46 2.744,13.46 0.744,13.96 1.244,13.96 1.744,13.96 2.244,13.96 2.744,13.96 2.744,14.46 2.744,14.96 2.744,15.46 2.744,15.96 2.744,16.46 2.744,16.96 2.744,17.46 2.744,17.96 2.744,18.46 2.744,18.96 2.744,19.46 2.744,19.96 2.744,20.46 2.744,20.96 2.744,21.46 2.744,21.96 2.744,22.46 2.744,22.96 2.744,23.46 2.744,23.96 2.744,24.46 2.744,24.96 2.744,25.46 2.744,25.96 2.744,26.46 2.744,26.96 2.744,27.46 2.744,27.96 2.744,28.46 2.744,28.96 2.744,29.46 2.744,29.96 2.744,30.46 2.744,30.96 2.744,31.46 2.744,31.96 2.744,32.46 2.744,32.96 2.744,33.46 2.744,33.96 2.744,34.46 2.744,34.96 2.744,35.46 2.744,35.96 2.744,36.46 2.744,36.96 2.744,37.46 2.744,37.96 2.744,38.46 2.244,38.96 2.744,38.96 0.744,39.46 1.244,39.46 1.744,39.46 2.244,39.46 2.744,39.46 0.744,39.96 1.244,39.96 1.744,39.96 2.244,39.96 2.744,39.96 0.744,40.46 1.244,40.46 1.744,40.46 2.244,40.46 2.744,40.46 0.744,40.96 1.244,40.96 1.744,40.96 2.244,40.96 2.744,40.96 0.744,41.46 1.244,41.46 1.744,41.46 2.244,41.46
VAA: C6.1 C7.1 C15.2 C25.2 C26.2 C27.2 L1.1 R36.2 U2.13 U3.2 U7.6 U7.7 U8.6 U8.7 U9.6 U9.7 | length 89.8
  Top Layer w0.254: C25.2@5.703,55.759 6.026,55.436 6.026,55.021 6.215,54.832 11.671,54.832 ; 6.032,54.991 6.032,51.306 6.426,50.912 6.979,50.912 7.373,50.517 ; U7.6@7.373,49.583 7.373,50.517 ; U7.7@8.023,49.583 7.947,49.659 7.947,50.187 7.617,50.517 7.373,50.517 ; C26.2@11.39,55.753 11.671,55.472 11.671,54.832 ; U8.6@13.019,49.598 12.949,49.668 12.949,50.487 12.868,50.568 ; U8.7@13.669,49.598 13.593,49.674 13.593,50.203 13.228,50.568 12.868,50.568 ; v2(15.303,55.372) 15.303,54.832 ; C27.2@16.787,55.774 17.11,55.451 17.11,55.103 17.381,54.832 ; U9.6@18.725,49.598 18.725,50.659 ; v2(19.108,24.8) 19.108,25.575 C7.1@19.133,25.6 ; U9.7@19.375,49.598 19.299,49.674 19.299,50.274 18.915,50.659 18.725,50.659 ; v2(21.471,50.8) 21.471,53.53 20.169,54.832 17.381,54.832 ; 11.671,54.832 11.671,51.383 12.121,50.932 12.504,50.932 12.868,50.568 ; 11.671,54.832 15.303,54.832 ; 15.303,54.832 17.381,54.832 ; 17.381,54.832 17.373,54.825 17.373,51.395 17.836,50.932 18.452,50.932 18.725,50.659
  Top Layer w0.4: C15.2@2.675,57.4 3.19,56.885 ; U3.2@3.19,53.05 3.19,56.885 ; C25.2@5.703,55.759 4.316,55.759 3.19,56.885 ; L1.1@17.279,27.404 18.509,27.404 19.133,28.028 C7.1@19.133,25.6 ; v2(19.2,29.4) 19.2,28.2 C6.1@19.3,28.1
  Mid Layer 1 w0.254: v2(19.2,29.4) 19.623,29.4 26.167,35.944 26.167,45.623 24.371,47.42 24.371,48.092 21.663,50.8 v2(21.471,50.8)
  Bottom Layer w0.254: R36.2@14.541,55.165 14.714,55.338 15.269,55.338 v2(15.303,55.372) ; U2.13@18.708,27.548 18.708,25.2 v2(19.108,24.8)
VCC: C1.2 C2.1 C4.2 C5.1 C8.2 C9.2 C47.2 C65.2 D2.1 J1.1 J8.1 L1.2 R10.1 S1.1 U1.2 U2.1 U2.19 U2.32 U2.48 U2.64 U11.3 U12.8 | length 185.9
  Top Layer w0.203: v2(12.333,24.8) C65.2@12.333,25.8 12.333,26.048 13.708,27.423 C8.2@13.708,27.604 ; C4.2@21.016,17.9 21.016,17.85 21.365,17.502 v2(21.9,17.5) ; v2(21.9,17.5) v2@22.154,17.5 ; v2(25.731,30.4) J8.1@26.998,30.4 ; v2(30.45,9.425) 30.45,9.318 30.352,9.22 30.352,7.639 D2.1@30.604,7.388
  Top Layer w0.254: v2(11.708,17.1) C1.2@11.708,17.725 ; v2(12.333,24.8) 12.333,23.925 C5.1@12.358,23.9 ; U1.2@13.548,31.463 13.448,31.563 13.448,31.7 13.448,31.757 13.821,32.13 24.001,32.13 v2(25.731,30.4) ; v2(18.7,21.96) 19.643,21.96 C2.1@19.708,22.025
  Top Layer w0.4: C47.2@6.364,28.925 6.975,28.925 7.639,28.261 7.639,27.721 ; U11.3@7.639,26.679 7.639,27.721 ; C1.2@11.908,17.825 11.858,17.825 11.361,18.322 11.241,18.322 11.005,18.558 11.005,22.497 12.358,23.85 C5.1@12.358,23.9 ; C65.2@12.333,25.8 11.208,26.925 v2(11.208,27.522) 11.178,27.522 10.6,28.1 8.018,28.1 7.639,27.721 ; v2(12.7,31.7) U1.2@13.448,31.7 ; U1.2@13.548,31.2 U1.2@13.548,31.463 ; C9.2@13.65,29.687 U1.2@13.65,31.463 ; C9.2@13.706,29.409 13.706,27.606 C8.2@13.708,27.604 13.908,27.404 L1.2@15.929,27.404 ; R10.1@16.008,67.55 16.058,67.55 16.62,66.988 17.012,66.988 v2(17.05,66.95) ; v2@22.154,17.5 25.1,20.446 J1.1@27.025,20.446
  Mid Layer 1 w0.203: v2(21.9,17.5) 29.899,9.501 30.374,9.501 v2(30.45,9.425)
  Mid Layer 2 w0.254: 16.097,32.103 16.377,32.383 25.099,32.383 25.977,33.261 25.977,34.269 25.402,34.844 25.402,38.678 24.585,39.494 24.585,45.1 25.186,45.7 v1(25.2,45.7)
  Mid Layer 2 w0.4: v2(17.05,66.95) 13.644,66.95 13.569,66.875 5.025,66.875 1.475,63.325 1.475,44.425 5.25,40.65 5.25,37.605 11.155,31.7 v2(12.7,31.7) 14.224,31.7 14.627,32.103 16.097,32.103 16.097,24.563 v2(18.7,21.96) 18.7,20.7 v2(21.9,17.5)
  Bottom Layer w0.203: v2(18.7,21.96) 21.239,24.499 22.16,24.499 U2.19@22.208,24.548 ; v2(21.9,17.5) 21.9,17.999 21.948,18.048 U2.32@22.208,18.048 ; U12.8@25.15,46.424 25.175,46.399 25.175,45.725 v1(25.2,45.7) ; v2(25.731,30.4) 28.097,30.4 30.549,32.853 30.549,35.4 29.99,35.96 S1.1@29.945,35.96
  Bottom Layer w0.254: U2.64@10.708,25.548 11.76,25.548 12.333,24.975 v2(12.333,24.8) ; v2(11.208,27.522) 12.683,27.522 U2.1@12.708,27.548 ; v2(11.708,17.1) 11.774,17.034 12.172,17.034 12.685,16.521 12.685,16.071 U2.48@12.708,16.048
VOLTAGE_1: R16.1 R17.1 U2.14 | length 48.6
  Mid Layer 1 w0.254: v2(9.588,52.07) 12.011,54.493 20.042,54.493 25.773,48.762 25.773,47.957 27.538,46.191 27.538,33.385 25.051,30.897 24.497,30.897 v2(23,29.4)
  Bottom Layer w0.203: U2.14@19.208,27.548 19.254,27.593 19.254,28.348 20.516,29.61 22.682,29.61 22.893,29.4 v2(23,29.4)
  Bottom Layer w0.254: R17.1@9.364,52.944 9.588,52.72 v2(9.588,52.07) 9.588,51.494 R16.1@9.544,51.45
VOLTAGE_2: R14.1 R15.1 U2.15 | length 41.9
  Mid Layer 1 w0.254: v2(14.994,51.689) 16.894,53.589 20.3,53.589 25.285,48.604 25.285,47.798 27.081,46.002 27.081,33.574 24.958,31.451 24.16,31.451 22.37,29.661 22.37,28.73 v2(22.4,28.7)
  Bottom Layer w0.203: U2.15@19.708,27.548 19.754,27.593 19.754,28.274 20.684,29.204 21.896,29.204 v2(22.4,28.7)
  Bottom Layer w0.254: R14.1@14.994,50.829 v2(14.994,51.689) R15.1@14.994,52.563
VOLTAGE_3: R18.1 R19.1 U2.16 | length 33.3
  Mid Layer 1 w0.254: v2(20.405,52.07) 21.173,52.07 24.828,48.415 24.828,47.609 26.624,45.813 26.624,33.763 24.769,31.908 23.971,31.908 21.1,29.037 v2(21.1,28.6)
  Bottom Layer w0.203: U2.16@20.208,27.548 20.208,27.998 20.734,28.524 21.024,28.524 v2(21.1,28.6)
  Bottom Layer w0.254: R18.1@20.383,50.8 20.405,50.822 v2(20.405,52.07) R19.1@20.405,53.213
pads on no net: H1.0 H2.0 H3.0 J1.M J2. J3. J4. J5.M J6.1 J6.4 J7.M J8.M J9.M J10. J11.M S1. U2.3 U2.4 U2.28 U2.50 U2.59 U7.4 U8.4 U9.4 U11.5 U11.8 U12.7 U12.9

## Polygon pours and split planes (outlines as drawn)
V_SUPPLY on Bottom Layer "V_SUPPLY_L04_P034" (solid, pour order 34): 5.298,9.398 0.381,9.398 0.381,44.447 3.261,44.447 3.261,13.843 5.456,13.843 6.667,12.632 6.667,10.767
SH_C on Bottom Layer "SH_C_L04_P020" (solid, pour order 20): 16.007,51.054 16.007,49.026 16.847,48.186 16.847,41.844 22.387,41.844 22.387,48.909 21.194,50.103 19.621,50.103 19.621,51.054
SH_B on Bottom Layer "SH_B_L04_P018" (solid, pour order 18): 10.501,41.844 10.501,48.902 10.251,49.151 10.251,51.054 13.906,51.054 13.906,50.016 15.542,50.016 15.542,48.6 16.047,48.095 16.047,41.844
SH_A on Bottom Layer "SH_A_L04_P016" (solid, pour order 16): 4.149,51.054 8.445,51.054 8.445,50.316 9.744,50.316 9.744,41.844 4.149,41.844
PH_C on Bottom Layer "PH_C_L04_P014" (solid, pour order 14): 14.287,60 14.287,57.813 15.819,56.281 15.819,54.483 19.639,54.483 19.639,61.778 16.024,61.778
PH_B on Bottom Layer "PH_B_L04_P012" (solid, pour order 12): 10.318,60.23 10.318,54.483 13.934,54.483 13.934,60.226 14.922,61.214 14.922,62.484 9.207,62.484 9.207,61.341
PH_A on Bottom Layer "PH_A_L04_P010" (solid, pour order 10): 9.969,57.576 9.969,60 8.191,61.778 4.508,61.778 4.508,54.483 8.332,54.483 8.332,55.939
GND on Bottom Layer "GND_L04_P006" (solid, pour order 6): 3.556,41.021 3.556,14.224 5.68,14.224 7.112,12.792 7.112,10.512 5.617,9.017 0.254,9.017 0.254,0.254 14.994,0.254 cw(c16.006,2.027) 17.018,0.254 31.75,0.254 31.75,66.275 28.302,69.723 3.199,69.723 0.254,66.778 0.254,45.05 3.625,45.05 3.625,63.2 19.939,63.2 19.939,54.304 15.341,54.356 15.341,56.642 14.16,56.642 14.16,54.356 10.044,54.356 10.044,56.642 8.506,56.642 8.506,54.356 4.025,54.356 4.025,51.308 20.971,51.308 23.222,49.057 23.222,41.021
SH_A on Top Layer "SH_A_L01_P022" (solid, pour order 22): 9.744,45.391 9.744,50.165 8.445,50.165 8.445,48.836 4.149,48.836 4.149,45.391
GND on Top Layer "GND_L01_P002" (solid, pour order 2): 0.381,9.017 5.617,9.017 7.112,10.512 7.112,12.855 5.743,14.224 3.556,14.224 3.556,39.37 23.244,39.37 23.244,49.086 4.025,49.086 4.025,56.769 19.939,56.769 19.939,63.2 3.626,63.2 3.626,45 0.275,45 0.275,66.569 3.325,69.619 28.552,69.619 32,66.171 32,0.254 16.873,0.254 ccw(c15.993,1.995) 15.113,0.254 0.381,0.254
PH_C on Top Layer "PH_C_L01_P032" (solid, pour order 32): 19.639,61.722 19.639,57.023 14.414,57.023 14.284,57.153 14.284,60.007 15.969,61.722
PH_B on Top Layer "PH_B_L01_P030" (solid, pour order 30): 10.35,60.198 10.35,56.897 13.906,56.897 13.906,60.198 14.922,61.214 14.922,62.484 9.207,62.484 9.207,61.341
PH_A on Top Layer "PH_A_L01_P028" (solid, pour order 28): 4.524,61.722 8.191,61.722 9.969,59.944 9.969,57.15 9.716,56.897 4.511,56.897
SH_C on Top Layer "SH_C_L01_P026" (solid, pour order 26): 16.787,48.842 16.787,45.395 22.422,45.395 22.422,48.768 20.31,48.768 20.31,50.075 19.728,50.075 19.728,48.842
SH_B on Top Layer "SH_B_L01_P024" (solid, pour order 24): 14.033,50.165 14.033,48.842 10.501,48.842 10.501,45.339 16.083,45.339 16.083,48.115 15.356,48.842 14.668,48.842 14.668,50.165
V_SUPPLY on Top Layer "V_SUPPLY_L01_P000" (solid, pour order 0): 5.298,9.398 0.127,9.398 0.127,44.447 22.4,44.447 22.4,39.751 3.244,39.751 3.244,13.843 5.379,13.843 6.667,12.555 6.667,10.767
GND on Mid Layer 1 "GND_L02_P046" (solid, pour order 46): 0.25,9.013 5.486,9.013 6.981,10.508 6.981,12.851 5.612,14.22 3.475,14.22 3.475,39.366 23.25,39.366 23.25,49.082 4.018,49.082 4.018,56.765 19.9,56.765 19.9,63.196 3.65,63.196 3.65,45.012 0.25,45.012 0.25,66.671 3.194,69.615 28.421,69.615 31.775,66.261 31.775,0.25 16.742,0.25 ccw(c15.862,1.991) 14.982,0.25 0.25,0.25
V_SUPPLY on Mid Layer 1 "V_SUPPLY_L02_P036" (solid, pour order 36): 5.298,9.398 0.325,9.398 0.325,44.447 3.175,44.447 3.175,13.843 5.457,13.843 6.667,12.633 6.667,10.767
GND on Mid Layer 2 "GND_L03_P044" (solid, pour order 44): 0.25,9.013 5.486,9.013 6.981,10.508 6.981,12.851 5.612,14.22 3.5,14.22 3.5,39.366 23.275,39.366 23.275,49.082 4.018,49.082 4.018,56.765 19.925,56.765 19.925,63.196 3.65,63.196 3.65,45.012 0.25,45.012 0.25,66.671 3.194,69.615 28.421,69.615 31.775,66.261 31.775,0.25 16.742,0.25 ccw(c15.862,1.991) 14.982,0.25 0.25,0.25
V_SUPPLY on Mid Layer 2 "V_SUPPLY_L03_P038" (solid, pour order 38): 5.298,9.398 0.275,9.398 0.275,44.447 3.2,44.447 3.2,13.843 5.457,13.843 6.667,12.633 6.667,10.767

## Keep-outs
Keep-Out Layer:
  the board outline again, w0.254

## Silkscreen, mask and mechanical layers (free items; w line width, h text height)
Top Overlay:
  text "HALL/ENC" at 17.744,64.31 h0.7
  text "5V" at 21.017,61.575 h0.5
  text "V" at 10.35,60.198 h1
  text "U" at 5.244,59.96 h1
  text "W" at 17.636,59.96 h1
  text "TEMP" at 20.185,59.5 h0.5
  text "H1" at 21.325,57.575 h0.5
  text "H2" at 21.244,55.596 h0.5
  text "H3" at 21.2,53.55 h0.5
  text "GND" at 20.787,51.55 h0.5
  text "CANH" at 23.35,44.875 h0.5
  text "CANL" at 23.34,43.65 h0.5
  text "CANH" at 23.459,37.47 h0.5
  text "CANL" at 23.449,36.245 h0.5
  text "MJVESC Mini Ver0.1A / DRCL Myongji Univ. / CDI, 2019/01/25" at 5.225,33.97 h0.9
  text "VCC" at 24.01,30.025 h0.5
  text "I2C2/ / USART3" at 20.475,29.825 h0.5
  text "GND" at 23.975,28.796 h0.5
  text "SCL/TX / SDA/RX" at 23.025,23.7 h0.5
  text "JTAG/ / SWD" at 21.301,20.659 h0.5
  text "VCC" at 24.493,20.092 h0.5
  text "SWCLK" at 23.479,18.825 h0.5
  text "GND" at 24.5,17.527 h0.5
  text "SWDIO" at 23.454,16.27 h0.5
  text "nRST" at 24.004,15.025 h0.5
  text "GND" at 8.404,13.725 h0.8
  text "V_S" at 3.275,13.45 h0.8
  text "V_S:5V-63V / VCC:3.3V" at 23.625,9.85 h0.8
  text "3.3V" at 24.734,6.725 h0.8
  text "RED" at 25.325,5 h0.8
  text "GREEN" at 23.75,3.19 h0.8
  text "CAN R." at 23.55,1.375 h0.8
Bottom Overlay:
  text "MOTOR" at 14.724,63.25 h1
  text "SPI1" at 22.675,63.125 h0.8
  text "GND" at 21.95,61.6 h0.5
  text "U" at 9.207,61.341 h1
  text "V" at 12.687,61.25 h1
  text "W" at 16.3,61.175 h1
  text "nCS" at 21.853,59.675 h0.5
  text "MOSI" at 21.925,57.65 h0.5
  text "MISO" at 21.95,55.661 h0.5
  text "SCK" at 22.975,52.7 h0.5
  text "5V" at 23.303,50.55 h0.5
  text "ON" at 30.7,37.525 h0.5
  text "OFF" at 30.7,31.75 h0.5
  text "CAN TERM. RES SW" at 31.625,30.475 h0.5
  text "SPI3/UART4" at 23.2,28.85 h0.6
  text "GND" at 25.75,27.65 h0.5
  text "nCS" at 25.7,26.475 h0.5
  text "MOSI" at 25.8,25.35 h0.5
  text "MISO / /RX" at 25.775,23.4 h0.5
  text "SCK / /TX" at 25.731,21.575 h0.5
  text "5V" at 25.8,20.425 h0.5
  text "POWER" at 10.275,15.209 h1
  text "SERVO" at 25.675,15.125 h0.5
  text "5V" at 25.612,13.875 h0.5
  text "GND" at 11.345,13.675 h0.8
  text "V_S" at 7.037,13.425 h0.8
  text "GND" at 25.6,12.675 h0.5

## Dimensions
0,0 to 32,0 on Mechanical 1
0,0 to 0,70 on Mechanical 1

## Text inside footprints (layer, text, board x,y; h text height)
J6: Mechanical 1 "Board edge" at 17.387,1.82 h0.2